# Altium PCB PDM_Rev3.PcbDoc (part 1 of 2) (continued)
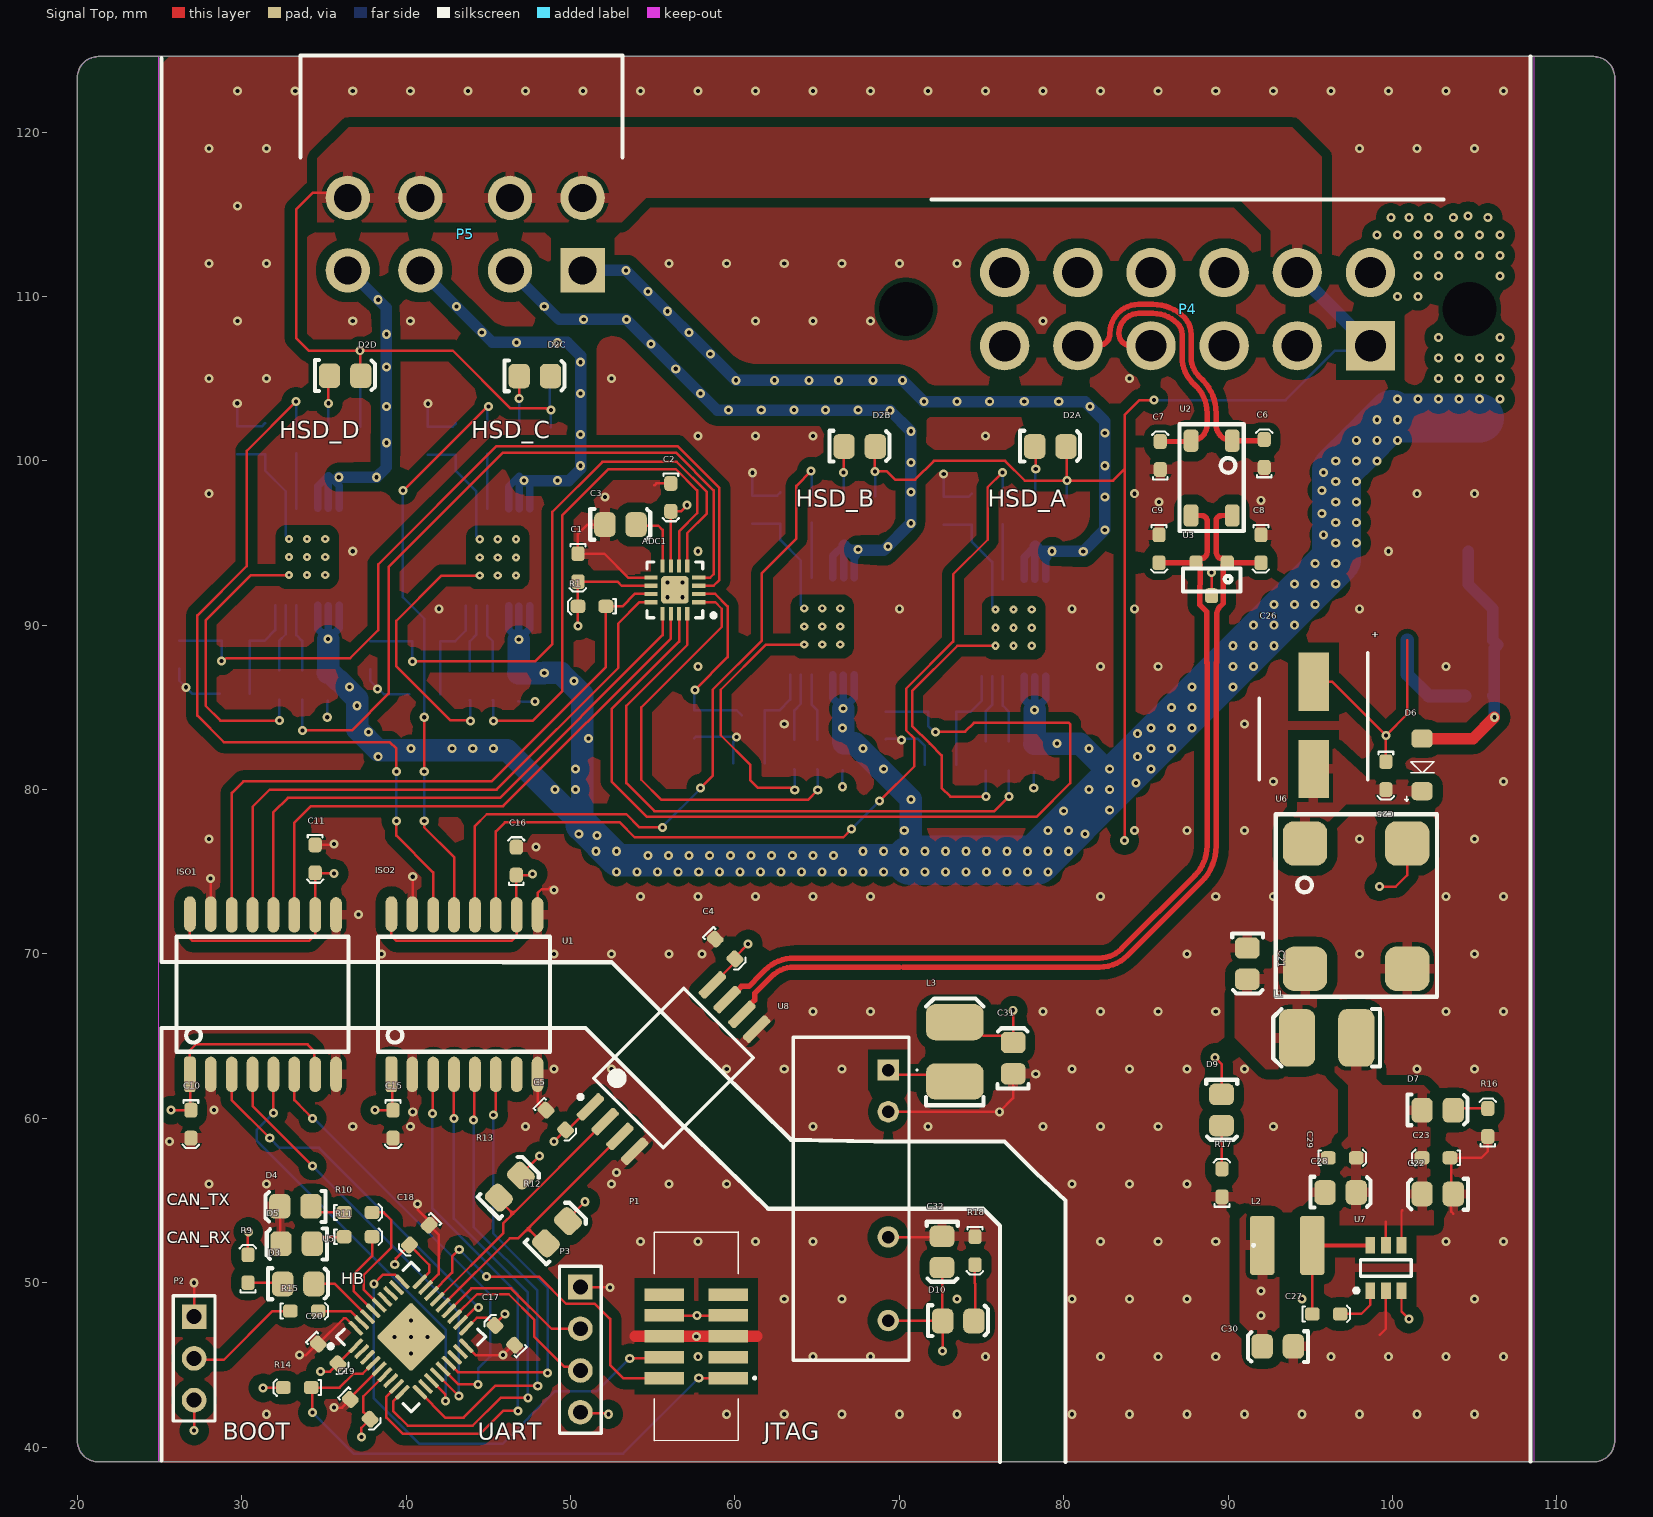
[diagram p0: Signal Top view]
## Components (designator, comment, footprint, x,y, rotation, side; value= is the part's Value field where it differs from the comment)
ADC1 "ADS7028IRTER-Symbol-1" WFQN-16 56.35,92.15 r180 top
C1 "100nF" 0603 50.45,94.35 r270 top
C2 "100nF" 0603 56.1,98.625 r270 top
C3 "1µF" 0805 53.05,96.15 r0 top
C4 "100nF" 0603 58.8,70.9 r315 top
C5 "100nF" 0603 48.5,60.5 r315 top
C6 "100pF" 0603 92.2,99.6 r90 top
C7 "100pF" 0603 85.875,99.475 r90 top
C8 "100pF" 0603 92,95.5 r270 top
C9 "100pF" 0603 85.8,95.5 r270 top
C10 "100nF" 0603 26.9,60.5 r270 top
C11 "100nF" 0603 34.465,76.635 r270 top
C12A "100nF" 0603 78.2,81.1 r90 bottom (schematic designator C12)
C12B "100nF" 0603 66.562,81.174 r90 bottom (schematic designator C12)
C12C "100nF" 0603 46.826,85.374 r90 bottom (schematic designator C12)
C12D "100nF" 0603 35.223,85.4 r90 bottom (schematic designator C12)
C13A "100nF" 0603 69.177,83.05 r90 bottom (schematic designator C13)
C13B "100nF" 0603 57.539,83.124 r90 bottom (schematic designator C13)
C13C "100nF" 0603 37.803,87.324 r90 bottom (schematic designator C13)
C13D "100nF" 0603 26.2,87.35 r90 bottom (schematic designator C13)
C14A "22nF" 0603 80.177,97.761 r270 bottom (schematic designator C14)
C14B "22nF" 0603 68.539,97.835 r270 bottom (schematic designator C14)
C14C "22nF" 0603 48.803,102.035 r270 bottom (schematic designator C14)
C14D "22nF" 0603 37.2,102.061 r270 bottom (schematic designator C14)
C15 "100nF" 0603 39.2,60.5 r270 top
C16 "100nF" 0603 46.7,74.8 r90 top
C17 "100nF" 0603 46.6,46.2 r135 top
C18 "100nF" 0603 41.4,53.5 r225 top
C19 "100nF" 0603 36.6,42.9 r315 top
C20 "100nF" 0603 34.648,46.277 r315 top
C21 "10uF" 0805 91.2,69.4 r270 top
C22 "10uF" 0805 102.738,55.374 r180 top
C23 "100nF" 0603 103.5,57.6 r180 top
C24 "100nF" 0603 104.4,85.7 r0 bottom
C25 "100nF" 0603 99.6,81.7 r270 top
C26 "47uF" "CHEMI-CON ELCO" 95.2,83.9 r270 top
C27 "100nF" 0603 95.125,48.1 r0 top
C28 "2.2uF" 0805 96.86,55.52 r0 top
C29 "100nF" 0603 96.1,57.6 r0 top
C30 "10uF" 0805 93.013,46.1 r180 top
C31 "10uF" 0805 76.9,63.675 r90 top
C32 "10uF" 0805 72.624,51.862 r270 top
D1A "MSX1PJ-M3/89A" "VISHAY DO-219" 74.4,98 r270 bottom (schematic designator D1)
D1B "MSX1PJ-M3/89A" "VISHAY DO-219" 62.762,98.074 r270 bottom (schematic designator D1)
D1C "MSX1PJ-M3/89A" "VISHAY DO-219" 43.026,102.274 r270 bottom (schematic designator D1)
D1D "MSX1PJ-M3/89A" "VISHAY DO-219" 31.423,102.3 r270 bottom (schematic designator D1)
D2A "Green" "0805 LED" 79.2,100.9 r0 top (schematic designator D2)
D2B "Green" "0805 LED" 67.6,100.9 r0 top (schematic designator D2)
D2C "Green" "0805 LED" 47.84,105.182 r0 top (schematic designator D2)
D2D "Green" "0805 LED" 36.3,105.2 r0 top (schematic designator D2)
D3 "Yellow" "0805 LED" 33.45,49.95 r0 top
D4 "Yellow" "0805 LED" 33.25,54.625 r180 top
D5 "Yellow" "0805 LED" 33.325,52.35 r180 top
D6 "PMEG100T10ELR-QX" "NXP SOD123W" 101.8,81.5 r90 top
D7 "Red" "0805 LED" 102.762,60.526 r0 top
D8 "SM6T36CAY" "ST SMB DIODE" 103.5,89.1 r0 bottom
D9 "Red" "0805 LED" 89.626,60.498 r270 top
D10 "Red" "0805 LED" 73.6,47.7 r0 top
F1 "0ZCF0100AF2A" 2920 104.6,101.8 r270 bottom
ISO1 "ADum1401" "AD 16-SOIC" 32.56,67.552 r0 top
ISO2 "ADuM1400" "AD 16-SOIC" 44.817,67.552 r0 top
L1 "12uH" 1812 96,64.9 r180 top
L2 "4.7uH" SRN3015TA-4R7M 93.6,52.275 r0 top
L3 "12uH" 1812 73.375,64.05 r90 top
P1 "1.27mm" 3221-10-0300-00 57.65,46.74 r90 top
P2 "2.54mm" "TH 2.54mm Header 1x3" 27.1,47.94 r270 top
P3 "2.54mm" "TH 2.54mm Header 1x4" 50.6,49.74 r270 top
P4 "DTF13-12P" DTF13-12P 87.545,111.452 r180 top
P5 "ATF13-08" ATF13-08 43.592,113.792 r180 top
R1 "100K" 0603 52.15,91.15 r180 top
R2A "10k" 0603 76.3,97.861 r270 bottom (schematic designator R2)
R2B "10k" 0603 64.662,97.935 r270 bottom (schematic designator R2)
R2C "10k" 0603 44.926,102.135 r270 bottom (schematic designator R2)
R2D "10k" 0603 33.323,102.161 r270 bottom (schematic designator R2)
R3A "10k" 0603 76.65,81.161 r90 bottom (schematic designator R3)
R3B "10k" 0603 65.012,81.235 r90 bottom (schematic designator R3)
R3C "10k" 0603 45.276,85.435 r90 bottom (schematic designator R3)
R3D "10k" 0603 33.673,85.461 r90 bottom (schematic designator R3)
R4A "10k" 0603 71.75,84.75 r0 bottom (schematic designator R4)
R4B "10k" 0603 60.112,84.824 r0 bottom (schematic designator R4)
R4C "10k" 0603 40.376,89.024 r0 bottom (schematic designator R4)
R4D "10k" 0603 28.773,89.05 r0 bottom (schematic designator R4)
R5A "390R" 0805 72.512,81.5 r0 bottom (schematic designator R5)
R5B "390R" 0805 60.874,81.574 r0 bottom (schematic designator R5)
R5C "390R" 0805 41.138,85.774 r0 bottom (schematic designator R5)
R5D "390R" 0805 29.535,85.8 r0 bottom (schematic designator R5)
R6A "680R" 0603 75.25,81.161 r90 bottom (schematic designator R6)
R6B "680R" 0603 63.612,81.235 r90 bottom (schematic designator R6)
R6C "680R" 0603 43.876,85.435 r90 bottom (schematic designator R6)
R6D "680R" 0603 32.273,85.461 r90 bottom (schematic designator R6)
R7A "1k" 0603 78.25,97.761 r270 bottom (schematic designator R7)
R7B "1k" 0603 66.612,97.835 r270 bottom (schematic designator R7)
R7C "1k" 0603 46.876,102.035 r270 bottom (schematic designator R7)
R7D "1k" 0603 35.273,102.061 r270 bottom (schematic designator R7)
R8A "1k" 0603 72.7,97.8 r270 bottom (schematic designator R8)
R8B "1k" 0603 61.062,97.874 r270 bottom (schematic designator R8)
R8C "1k" 0603 41.326,102.074 r270 bottom (schematic designator R8)
R8D "1k" 0603 29.723,102.1 r270 bottom (schematic designator R8)
R9 "500R" 0603 30.375,50 r90 top
R10 "500R" 0603 36.225,54.275 r0 top
R11 "500R" 0603 36.225,52.8 r0 top
R12 "5.1k" 0805 49.162,53.099 r45 top
R13 "5.1k" 0805 46.298,55.873 r45 top
R14 "10k" 0603 34.225,43.625 r180 top
R15 "10k" 0603 32.95,48.275 r0 top
R16 "20K" 0603 105.8,58.9 r90 top
R17 "2K" 0603 89.626,55.225 r90 top
R18 "1k" 0603 74.6,52.8 r270 top
U1 "ISO1042" TI-SOIC-8 56.263,63.061 r45 top
U2 "B82787C0104H002" "TDK 4-PC Pad" 90.25,101.225 r270 top value="100µH @ 100kHz"
U3 "NUP2105L" "ON SOT-23" 89,92.8 r180 top
U4A "TPS1H100AQPWPRQ1" TI_14_TSSOP 76.95,89.85 r270 bottom (schematic designator U4)
U4B "TPS1H100AQPWPRQ1" TI_14_TSSOP 65.312,89.924 r270 bottom (schematic designator U4)
U4C "TPS1H100AQPWPRQ1" TI_14_TSSOP 45.576,94.124 r270 bottom (schematic designator U4)
U4D "TPS1H100AQPWPRQ1" TI_14_TSSOP 33.973,94.15 r270 bottom (schematic designator U4)
U5 "STM32F103T8U6" STM_QFN-36 40.3,46.7 r45 top
U6 "744272121" "Wurth 4-PC Pad" 100.9,69.1 r90 top value="120uH @ 100kHz"
U7 "LMR50410Y5FQDBVRQ1" TI-SOT23-6 99.6,50.9 r90 top
U8 "RK-053.3S/H6" RK-053.3S/H6 69.325,62.94 r270 top

## Footprints (in the part's own frame and the unit in brackets; to place one, negate y for a bottom-side part, rotate by r counter-clockwise, add the part's x,y. Pads: shape width x height; smd on the part's side, far side on the other; paste and mask are expansions set on the pad)
0603 [mm]
  rrect50% 0.9x0.8 smd: 1(0,0) 2(1.7,0)
  silkscreen extent -0.6,-0.5 2.3,0.5, body extent 0.05,-0.42 1.65,0.43, height 0.6
0805 [mm]
  rrect50% 1.3x1.5 smd: 1(-0.962,-0.026) 2(0.938,-0.026)
  silkscreen extent -1.85,-0.95 1.8,0.93, body extent -1,-0.65 1,0.66, height 0.73
"0805 LED" [mm]
  rrect50% 1.3x1.5 smd: A(-0.962,-0.026) K(0.938,-0.026)
  silkscreen extent -1.85,-0.95 1.8,0.93, body extent -1.09,-0.63 0.91,0.63, height 1
1812 [mm]
  rrect50% 2.2x3.5 smd: 1(-1.8,0) 2(1.8,0)
  silkscreen extent -3.25,-1.75 3.25,1.75, body extent -2.25,-1.6 2.25,1.6, height 2.5
2920 [mm]
  rrect50% 2.3x5.6 smd: 1(0,0) 2(7.3,0)
  silkscreen extent -1.4,-3 9,3, body extent -0.34,-2.81 7.64,2.81, height 1.14
3221-10-0300-00 [mm]
  rect 0.76x2.4 smd: 1(-2.54,-1.95) 2(-2.54,1.95) 3(-1.27,-1.95) 4(-1.27,1.95) 5(0,-1.95) 6(0,1.95) 7(1.27,-1.95) 8(1.27,1.95) 9(2.54,-1.95) 10(2.54,1.95)
  silkscreen extent -6.35,-3.6 6.35,2.55, body extent -6.34,-2.8 6.36,2.8, height 5.25
"AD 16-SOIC" [mil]
  rrect50% 28x85 smd: 1(-225,-192.02)
  oval 28x85 smd: 2(-175,-192.02) 3(-125,-192.02) 4(-75,-192.02) 5(-25,-192.02) 6(25,-192.02) 7(75,-192.02) 8(125,-192.02) 9(125,190) 10(75,189.96) 11(25,189.96) 12(-25,189.96) 13(-75,189.96) 14(-125,189.96) 15(-175,191.98) 16(-225,191.98)
  silkscreen extent -257,-138 155,138, body extent -256,-209 156,209, height 104
ATF13-08 [mm]
  rect 2.7x2.7 hole 1.7: 1(-7.145,2.21)
  round 2.7 hole 1.7: 2(-2.725,2.21) 3(2.725,2.21) 4(7.145,2.21) 5(7.145,-2.21) 6(2.725,-2.21) 7(-2.725,-2.21) 8(-7.145,-2.21)
  silkscreen extent -9.57,-10.87 10.03,-4.67, body extent -18.38,-25.4 18.38,4.5, height 23.66
"CHEMI-CON ELCO" [mm]
  rect 3.55x1.85 smd: 1(-2.65,0) 2(2.65,0)
  silkscreen extent -4.43,-3.3 3.3,3.3, body extent -3.7,-3.4 3.7,3.4, height 6.1
DTF13-12P [mm]
  round 3 hole 3.3 unplated: 0(-17.145,2.22) 0(17.145,2.22)
  rect 3x3 hole 1.9: 1(-11.114,4.45)
  round 3 hole 1.9: 2(-6.664,4.45) 3(-2.214,4.45) 4(2.236,4.45) 5(6.686,4.45) 6(11.136,4.45) 7(11.136,0) 8(6.686,0) 9(2.236,0) 10(-2.214,0) 11(-6.664,0) 12(-11.114,0)
  silkscreen extent -15.56,-4.45 15.59,-4.45, body extent -20.79,-27.74 20.79,6.55, height 23.13
"NXP SOD123W" [mm]
  rrect50% 1.1x1.3 smd: A(1.6,0) K(-1.6,0)
  silkscreen extent -2.2,-0.73 0.2,1.04, body extent -1.75,-0.95 1.75,0.95, height 1.1
"ON SOT-23" [mm] "NUP2105L"
  rrect50% 0.8x0.9 smd: 1(-0.95,-1) 2(0.95,-1) 3(0,1)
  silkscreen extent -1.75,-0.65 1.75,0.75, body extent -1.5,-1.27 1.5,1.28, height 1
RK-053.3S/H6 [mm]
  rect 1.303x1.303 hole 0.76: 1(0,0)
  round 1.303 hole 0.76: 2(2.54,0) 5(10.16,0) 7(15.24,0)
  silkscreen extent -2,-5.78 17.65,1.8, body extent -1.99,-5.78 17.65,1.26, height 10.2
SRN3015TA-4R7M [mm]
  rrect25% 1.5x3.6 smd: 1(-1.525,0) 2(1.525,0)
  silkscreen extent -2.1,-0.05 -2,0.05, body extent -1.46,-1.47 1.61,1.47, height 1.4
"ST SMB DIODE" [mm]
  rrect50% 2.5x2.5 smd: A(2.6,0) K(-2.6,0)
  silkscreen extent -4.28,-2.12 4.17,2.08, body extent -2.88,-1.99 2.72,1.95, height 2.5
STM_QFN-36 [mm]
  rrect50% 1.1x0.25 smd: 1(-2.75,2) 2(-2.75,1.5) 3(-2.75,1) 4(-2.75,0.5) 5(-2.75,0) 6(-2.75,-0.5) 7(-2.75,-1) 8(-2.75,-1.5) 9(-2.75,-2) 19(2.75,-2) 20(2.75,-1.5) 21(2.75,-1) 22(2.75,-0.5) 23(2.75,0) 24(2.75,0.5) 25(2.75,1) 26(2.75,1.5) 27(2.75,2)
  rrect50% 0.25x1.1 smd: 10(-2,-2.75) 11(-1.5,-2.75) 12(-1,-2.75) 13(-0.5,-2.75) 14(0,-2.75) 15(0.5,-2.75) 16(1,-2.75) 17(1.5,-2.75) 18(2,-2.75) 28(2,2.75) 29(1.5,2.75) 30(1,2.75) 31(0.5,2.75) 32(0,2.75) 33(-0.5,2.75) 34(-1,2.75) 35(-1.5,2.75) 36(-2,2.75)
  rrect10% 3x3 smd: 37(0,0)
  silkscreen extent -3.98,-3.21 3.21,3.21, body extent -3.08,-3.08 3.08,3.08, height 1
"TDK 4-PC Pad" [mm]
  rrect50% 1.35x0.9 smd: 1(0,-2.5) 2(0,0) 3(4.55,0) 4(4.55,-2.5)
  silkscreen extent -1,-3.2 5.5,0.7, body extent -0.02,-2.82 4.48,0.38, height 2.8
"TH 2.54mm Header 1x3" [mm]
  rect 1.5x1.5 hole 0.9: 1(0,0)
  round 1.5 hole 0.9: 2(2.54,0) 3(5.08,0)
  silkscreen extent -1.27,-1.27 6.35,1.27, body extent -1.27,-1.27 6.35,1.27, height 9.5
"TH 2.54mm Header 1x4" [mm]
  rect 1.5x1.5 hole 0.9: 1(0,0)
  round 1.5 hole 0.9: 2(2.54,0) 3(5.08,0) 4(7.62,0)
  silkscreen extent -1.27,-1.27 8.89,1.27, body extent -1.27,-1.27 8.89,1.27, height 9.5
TI-SOIC-8 [mm]
  rrect50% 1.95x0.6 smd: 1(-5.25,1.905) 2(-5.25,0.635) 3(-5.25,-0.635) 4(-5.25,-1.905) 5(5.25,-1.905) 6(5.25,-0.635) 7(5.25,0.635) 8(5.25,1.905)
  silkscreen extent -5.37,-3 3.88,3, body extent -5.75,-3 5.75,3, height 2.8
TI-SOT23-6 [mm]
  rect 1x0.6 smd: 1(-1.375,0.95) 2(-1.375,0) 3(-1.375,-0.95) 4(1.375,-0.95) 5(1.375,0) 6(1.375,0.95)
  silkscreen extent -1.5,-1.55 0.5,1.92, body extent -1.5,-1.53 1.5,1.53, height 1.45
TI_14_TSSOP [mm] "TSOP, 14-Leads, Body 5.00x4.40mm, Pitch 0.65mm, Thermal Pad 3.34x2.94mm, IPC Medium Density"
  rect 2.94x3.34 smd: 0(0,0)
  rect 1.4x0.45 smd: 1(-2.95,1.95) 2(-2.95,1.3) 3(-2.95,0.65) 4(-2.95,0) 5(-2.95,-0.65) 6(-2.95,-1.3) 7(-2.95,-1.95) 8(2.95,-1.95) 9(2.95,-1.3) 10(2.95,-0.65) 11(2.95,0) 12(2.95,0.65) 13(2.95,1.3) 14(2.95,1.95)
  silkscreen extent -3.07,-2.55 1.85,2.85, body extent -3.2,-2.55 3.2,2.55, height 1.2
"VISHAY DO-219" [mm]
  rrect50% 0.8x0.8 smd: A(1.9,0)
  rrect50% 2x1.1 smd: K(0,0)
  silkscreen extent -1.4,-0.72 2.7,0.7
WFQN-16 [mm]
  rect 0.8x0.25 smd: 1(-1.45,0.75) 2(-1.45,0.25) 3(-1.45,-0.25) 4(-1.45,-0.75) 9(1.45,-0.75) 10(1.45,-0.25) 11(1.45,0.25) 12(1.45,0.75)
  rect 0.25x0.8 smd: 5(-0.75,-1.45) 6(-0.25,-1.45) 7(0.25,-1.45) 8(0.75,-1.45) 13(0.75,1.45) 14(0.25,1.45) 15(-0.25,1.45) 16(-0.75,1.45)
  rrect25% 1.68x1.68 smd: 17(0,0)
  silkscreen extent -2.48,-1.7 1.7,1.7, body extent -1.6,-1.6 1.6,1.6, height 0.8
"Wurth 4-PC Pad" [mm]
  rrect50% 2.7x2.7 smd: 1(7.62,6.22) 2(0,6.22) 3(0,0) 4(7.62,0)
  silkscreen extent -1.7,-1.8 9.4,8, body extent -1.19,-1.24 8.81,7.46, height 6.2

## Part data
ADC1: library part ADS7028IRTER, "IC ADC 12BIT SAR 16WQFN", Manufacturer="Texas Instruments", Complex IC=1, Digikey Link=https://www.digikey.com.au/en/products/detail/texas-instruments/ADS7028IRTER/12696020?s=N4IgTCBcDaIIIBEDKB2ADGAHASQEoBUBRXEAXQF8g, Digikey Part Number=ADS7028IRTER, Part Number=ADS7028IRTER
C1 C2 C4 C5 C10 C11 C12A C12B C12C C12D C13A C13B C13C C13D C15 C16 C17 C18 C19 C20 C23 C24 C25 C27 C29: library part GCM188L81H104KA57D, Digikey Part Number=490-6049-1-ND, Manufacturer=muRata, Rated Voltage=50V, Temperature Rating=X8L, Tolerance=±10%, Material=MLCC, Part Number=GCM188L81H104KA57D
C3: library part GCM21BR71H105KA03L, Digikey Part Number=490-10675-1-ND, Manufacturer=muRata, Rated Voltage=50V, Temperature Rating=X7R, Tolerance=±10%, Material=MLCC, Part Number=GCM21BR71H105KA03L
C6 C7 C8 C9: library part GRM1885C1H101JA01D, Digikey Part Number=490-1427-1-ND, Manufacturer="Murata Electronics", Rated Voltage=50V, Temperature Rating="C0G, NP0", Tolerance=±5%, Material=MLCC, Part Number=GRM1885C1H101JA01D
C14A C14B C14C C14D: library part GCM188R71H223KA37J, Digikey Part Number=490-8022-2-ND, Manufacturer="Murata Electronics", Rated Voltage=50V, Temperature Rating=X7R, Tolerance=±10%, Material=MLCC, Part Number=GCM188R71H223KA37J
C21 C22 C30 C31 C32: library part GRM21BR6YA106KE43L, Digikey Part Number=490-10514-6-ND, Manufacturer=muRata, Rated Voltage=50V, Temperature Rating=X5R, Tolerance=10%, Material=MLCC, Part Number=GRM21BR6YA106KE43L
C26: library part HHXA350ARA470MF61G, Part Number=HHXA350ARA470MF61G
C28: library part GRM21BR71E225KE11L, Digikey Part Number=490-14467-2-ND, Manufacturer="Murata Electronics", Rated Voltage=25V, Temperature Rating=X7R, Tolerance=±10%, Material=MLCC, Part Number=GRM21BR71E225KE11L
D1A D1B D1C D1D: Breakdown Voltage=600V, Manufacturer="Vishay General Semiconductor - Diodes Division", Part Number=MSX1PJ-M3/89A
D2A D2B D2C D2D: library part SML-210FTT86, "Green LED Indication - Discrete 1.75V 0805 (2012 Metric)", Digikey Part Number=511-1285-1-ND, Manufacturer="ROHM Semiconductor", Colour=Green, Part Number=SML-210FTT86
D3 D4 D5: library part SML-211YTT86, "Yellow LED Indication - Discrete 1.75V 0805 (2012 Metric)", Digikey Part Number=511-1293-1-ND, Manufacturer="ROHM Semiconductor", Colour=Yellow, Part Number=SML-211YTT86
D6: Breakdown Voltage="100 V", Digikey Part Number=1727-PMEG100T10ELR-QXCT-ND, Forward Voltage="0.75 V @ 1A", Manufacturer="Nexperia USA Inc.", Rated Power="680 mW", Part Number=PMEG100T10ELR-QX
D7 D9 D10: library part SML-210LTT86, "Red LED Indication - Discrete 1.75V 0805 (2012 Metric)", Digikey Part Number=511-1286-1-ND, Manufacturer="ROHM Semiconductor", Colour=Red, Part Number=SML-210LTT86
D8: Breakdown Voltage="30.8 V", Digikey Part Number=497-10804-1-ND, Manufacturer=STMicroelectronics, Rated Power=600W, Forward Voltage="30.8 V", Part Number=SM6T36CAY
F1: "PTC RESET FUSE 60V 1A 292", Digikey Part Number=507-2070-1-ND, Manufacturer="Littelfuse Inc.", Digikey Link=https://www.digikey.com/product-detail/en/bel-fuse-inc/0ZCF0100AF2A/507-2070-1-ND/6210547, Part Number=0ZCF0100AF2A
ISO1: library part ADuM1401, "General Purpose Digital Isolator 2500Vrms 4 Channel 1Mbps 25kV/µs CMTI 16-SOIC (0.295\", 7.50mm Width)", Manufacturer="Analog Devices", Complex IC=0, Part Number=ADuM1401
ISO2: "General Purpose Digital Isolator 2500Vrms 4 Channel 1Mbps 25kV/µs CMTI 16-SOIC (0.295\", 7.50mm Width)", Digikey Part Number=ADUM1400WSRWZ-ND, Manufacturer="Analog Devices", Complex IC=0, Digikey Link=https://www.digikey.com/product-detail/en/analog-devices-inc/ADUM1400WSRWZ/ADUM1400WSRWZ-ND/1873713, Part Number=ADuM1400
L1 L3: library part RLS-126, Digikey Part Number=945-3429-ND, Manufacturer=Recom, Rated Current="0.8 A", Tolerance=0.2, Impedance=230mOhm, Material=Wirewound, Part Number=RLS-126
L2: library part SRN4018-4R7M, Digikey Part Number=SRN3015TA-4R7MCT-ND, Manufacturer=Bourns, Rated Current=1.9A, Tolerance=0.2, Impedance=84mOhms, Material=Wirewound, Part Number=SRN4018-4R7M
P1: library part "SMD 1.27mm Header 2x5 (3221-10-0300-00)", Angle=0, Contact=NA, Flange=No, Part Number="SMD 1.27mm Header 2x5 (3221-10-0300-00)", Pitch=1.27mm, Positions=10, Row Spacing=1.27mm
P2: library part "TH 2.54mm Header 1x3", Angle=0, Contact=NA, Flange=No, Part Number="TH 2.54mm Header 1x3", Pitch=2.54mm, Positions=3, Row Spacing=2.54mm
P3: library part "TH 2.54mm Header 1x4", Angle=0, Contact=NA, Flange=No, Part Number="TH 2.54mm Header 1x4", Pitch=2.54mm, Positions=4, Row Spacing=2.54mm
P4: Digikey Part Number=1734-1861-ND, Angle=90, Contact="Copper Alloy", Digikey Link=https://www.digikey.com/products/en?keywords=dtf13-12pa, Flange=No, Part Number=DTF13-12P, Pitch=4.45mm, Positions=12, Row Spacing=4.45mm
R1: library part RC0603FR-07100KL, Manufacturer=YAGEO, Rated Power=0.1W, Tolerance=0.01, Material=FR-07, Part Number=RC0603FR-07100KL
R2A R2B R2C R2D R3A R3B R3C R3D R4A R4B R4C R4D R14 R15: library part RC0603FR-0710KL, Digikey Part Number=311-10.0KHRCT-ND, Manufacturer=YAGEO, Rated Power=0.1W, Tolerance=0.01, Material=FR-07, Part Number=RC0603FR-0710KL
R5A R5B R5C R5D: library part RC0805FR07390RL, Digikey Part Number=311-390CRCT-ND, Manufacturer=YAGEO, Rated Power=0.125W, Tolerance=0.01, Material=FR-07, Part Number=RC0805FR07390RL
R6A R6B R6C R6D: library part RC0603JR-13680RL, Digikey Part Number=13-RC0603JR-13680RLCT-ND, Manufacturer=YAGEO, Rated Power=0.1W, Tolerance=0.01, Material=FR-07, Part Number=RC0603JR-13680RL
R7A R7B R7C R7D R8A R8B R8C R8D R18: library part RC0603FR-071KL, Digikey Part Number=311-1.00KHRCT-ND, Manufacturer=YAGEO, Rated Power=0.1W, Tolerance=0.01, Material=FR-07, Part Number=RC0603FR-071KL
R9 R10 R11: library part RT0603BRD07500RL, Digikey Part Number=13-RT0603BRD07500RL-ND, Manufacturer=YAGEO, Rated Power=0.1W, Tolerance=0.01, Material=FR-07, Part Number=RT0603BRD07500RL
R12 R13: library part RC0805FR075K1L, Digikey Part Number=311-5.10KCRCT-ND, Manufacturer=YAGEO, Rated Power=0.125W, Tolerance=0.01, Material=FR-07, Part Number=RC0805FR075K1L
R16: library part RC0603FR-0720KL, Digikey Part Number=311-20.0KHRCT-ND, Manufacturer=YAGEO, Rated Power=0.1W, Tolerance=0.01, Material=FR-07, Part Number=RC0603FR-0720KL
R17: library part RC0603FR-072KL, Digikey Part Number=311-2.00KHRCT-ND, Manufacturer=YAGEO, Rated Power=0.1W, Tolerance=0.01, Material=FR-07, Part Number=RC0603FR-072KL
U1: "IC CAN TRANSCEIVER 1/1 8SOIC", Digikey Part Number=296-ISO1042BQDWVQ1-ND, Manufacturer="Texas Instruments", Part Number=ISO1042
U2: Digikey Part Number=495-4598-1-ND, Manufacturer="EPCOS (TDK)", Rated Current=150mA, Impedance="5.8 kOhms @ 10MHz", Material=Wirewound, Part Number=B82787C0104H002
U3: "Dual Line CAN Bus Protector", Digikey Part Number=NUP2105LT1GOSCT-ND, Manufacturer="ON Semiconductor", Digikey Link=https://www.digikey.com/product-detail/en/on-semiconductor/NUP2105LT1G/NUP2105LT1GOSCT-ND/1485001, Part Number=NUP2105L
U4A U4B U4C U4D: "IC PWR SWTCH N-CHAN 1:1 14HTSSOP", Manufacturer="Texas Instruments", Complex IC=1, Part Number=TPS1H100AQPWPRQ1
U5: "ARM® Cortex®-M3 STM32F1 Microcontroller IC 32-Bit 72MHz 64KB (64K x 8) FLASH QFN", Manufacturer="ST Microelectronics", Digikey Link=https://www.digikey.com/en/products/detail/stmicroelectronics/stm32f103t8u6/1852493, Digikey Part Number=STM32F103T8U6, Part Number=STM32F103T8U6
U6: Digikey Part Number=732-1489-1-ND, Manufacturer="Wurth Electronics Inc", Rated Current="2.5 A", Impedance="460 Ohms @ 30MHz", Material=Wirewound, Part Number=744272121
U7: library part LMR50410-Q1, "IC REG BUCK 5V 1A SOT23-6", Digikey Part Number=296-LMR50410Y5FQDBVRQ1CT-ND, Input Voltage=4-36V, Manufacturer="Texas Instruments", Output Current=1A, Output Voltage=5V, Part Number=LMR50410-Q1
U8: "DC DC CONVERTER 3.3V 1W", Input Voltage=5V, Manufacturer=Recom, Output Current=303mA, Output Voltage=3.3V, Part Number=RK-053.3S/H6
P5: Part Number=ATF13-08

## Via types
v1: diameter 0.55, hole 0.25, Signal Top to Signal Bottom, 530 vias
v2: diameter 0.5, hole 0.2, Signal Top to Signal Bottom, 36 vias

## Nets (pads, with @x,y where several pads share a name; then routed paths per layer and width w, separated by ;. In a path a pad name is that pad's centre, name@x,y a point inside that pad or via, vN(x,y) a via of type N, cw(c..) or ccw(c..) an arc to the next point about the centre after c; other vN are vias at no path point)
0V: ADC1.9 ADC1.17 C1.1 C2.1 C3.1 C4.1 C6.1 C7.1 C8.1 C9.1 C11.1 C13A.1 C13B.1 C13C.1 C13D.1 C16.2 C21.1 C22.1 C23.1 C28.1 C29.1 C30.1 C31.1 D1A.K D1B.K D1C.K D1D.K ISO1.9 ISO1.15 ISO2.9 ISO2.15 R5A.1 R5B.1 R5C.1 R5D.1 R8A.1 R8B.1 R8C.1 R8D.1 R16.1 R17.1 U1.5 U3.3 U6.3 U7.2 U8.2 | length 65.4
  Signal Top w0.152: v1(28.1,74.6) 28.107,74.593 28.107,72.436 ISO1.15@28.115,72.429 ; C11.1@34.513,76.683 C11.1@34.465,76.635 35.465,76.635 v1@35.6,76.5 ; ISO2.15@40.372,72.429 40.386,72.442 40.386,74.686 v1(40.4,74.7) ; ISO2.9@47.992,72.378 47.992,73.697 48.235,73.939 48.641,73.939 48.754,74.052 ; C3.1@52.088,96.124 51.024,96.124 50.45,95.55 C1.1@50.45,94.35 52.05,94.35 53.5,92.9 ADC1.9@54.9,92.9 ; 55.1,98.5 55.225,98.625 C2.1@56.1,98.625 ; U8.2@69.325,60.4 v1(76.1,60.4) 76.926,61.226 C31.1@76.926,62.713 ; C9.1@85.8,95.5 C9.1@85.845,95.545 ; U3.3@89,91.8 89,92.05 v1(89,93.2) ; 99.236,46.836 99.6,47.2 U7.2@99.6,49.525 ; 103.7,54.2 103.562,54.337 103.562,57.538 C23.1@103.5,57.6 105.4,57.6 105.8,58 R16.1@105.8,58.9
  Signal Bottom w0.152: C13D.1@26.2,87.35 26.2,86.623 v1(26.598,86.224) 26.997,85.826 R5D.1@28.573,85.826 R5D.1@28.661,85.826 ; v1(29.723,103.5) R8D.1@29.723,102.1 31.223,102.1 D1D.K@31.423,102.3 ; C13C.1@37.803,87.324 37.803,86.619 38.252,86.17 v1(38.252,86.117) 38.33,86.117 38.647,85.8 R5C.1@40.176,85.8 ; v1(41.326,103.474) R8C.1@41.326,102.074 42.826,102.074 D1C.K@43.026,102.274 ; C13B.1@57.539,83.124 57.615,83.2 59.948,83.2 v1@60.024,83.124 ; R5B.1@59.912,81.6 59.912,82.904 60.024,83.016 v1@60.024,83.124 ; v1(60.1,83.2) v1@60.024,83.124 ; v1(61.062,99.274) R8B.1@61.062,97.874 62.562,97.874 D1B.K@62.762,98.074 ; C13A.1@69.177,83.05 69.227,83.1 v1@70.122,83.1 ; v1(70.122,83.022) v1@70.122,83.1 ; R5A.1@71.55,81.526 71.55,82.647 71.097,83.1 70.747,83.1 v1@70.122,83.1 ; v1(72.7,99.2) R8A.1@72.7,97.8 74.2,97.8 D1A.K@74.4,98
  other v1: 80.5,42 84,42 87.5,42 91,42 94.5,42 98,42 101.5,42 105,42 82.25,45.5 85.75,45.5 89.25,45.5 96.25,45.5 99.75,45.5 103.25,45.5 106.75,45.5 80.5,49 84,49 87.5,49 94.5,49 105,49 82.25,52.5 85.75,52.5 89.25,52.5 103.25,52.5 106.75,52.5 80.5,56 84,56 87.5,56 64.75,59.5 71.75,59.5 78.75,59.5 82.25,59.5 85.75,59.5 92.75,59.5 78.3,62.7 59.5,63 63,63 66.5,63 80.5,63 84,63 87.5,63 91,63 101.5,63 105,63 64.75,66.5 68.25,66.5 78.75,66.5 82.25,66.5 85.75,66.5 89.25,66.5 103.25,66.5 106.75,66.5 38.5,70 49,70 52.5,70 56,70 58,70 87.5,70 98,70 105,70 37.1,72.4 54.25,73.5 57.75,73.5 61.25,73.5 64.75,73.5 68.25,73.5 82.25,73.5 89.25,73.5 92.75,73.5 103.25,73.5 106.75,73.5 49,73.9 47.9,76.5 35.6,76.7 28,77 98,77 105,77 84.305,77.505 87.5,77.505 91,77.505 92.75,80.5 106.75,80.5 63,84 91,84 57.75,87.5 82.25,87.5 85.75,87.5 103.25,87.5 42,91 70,91 80.5,91 84.305,91 98,91 55.9,91.7 56.8,91.7 55.9,92.6 56.8,92.6 36.75,94.5 57.75,94.5 99.75,94.5 85.8,97.5 92,97.6 52.088,97.788 28,98 84.305,98 101.5,98 105,98 57.75,101.5 61.25,101.5 64.75,101.5 75.25,101.5 28,105 31.5,105 52.5,105 84,105 29.75,108.5 36.75,108.5 40.25,108.5 61.25,108.5 64.75,108.5 68.25,108.5 78.75,108.5 28,112 31.5,112 56,112 59.5,112 63,112 66.5,112 70,112 73.5,112 29.75,115.5 28,119 31.5,119 98,119 101.5,119 105,119 29.75,122.5 33.25,122.5 36.75,122.5 40.25,122.5 43.75,122.5 47.25,122.5 50.75,122.5 54.25,122.5 57.75,122.5 61.25,122.5 64.75,122.5 68.25,122.5 71.75,122.5 75.25,122.5 78.75,122.5 82.25,122.5 85.75,122.5 89.25,122.5 92.75,122.5 96.25,122.5 99.75,122.5 103.25,122.5 106.75,122.5
0V_(ISO): C5.1 C10.2 C15.2 C17.1 C18.1 C19.1 C20.1 C32.1 D4.K D5.K ISO1.2 ISO1.8 ISO2.2 ISO2.8 P1.5 P1.6 P2.1 P3.1 R18.1 U1.4 U5.5 U5.18 U5.26 U5.36 U5.37 U8.5 | length 37.3
  Signal Top w0.152: P2.1@27.1,47.94 v1(27.1,50) ; ISO1.2@28.107,62.668 ISO1.2@28.115,62.675 ; D4.K@32.312,54.651 32.35,54.614 32.35,52.414 D5.K@32.387,52.376 ; v1(33.5,45.6) 33.9,45.6 34.577,46.277 C20.1@34.648,46.277 36.208,47.837 36.334,47.837 U5.36@36.941,47.23 ; v1(35.6,42.4) 36.1,42.4 C19.1@36.6,42.9 ; C19.1@36.55,42.95 U5.5@38.355,44.755 ; ISO2.2@40.372,62.675 ISO2.2@40.386,62.661 ; v1(40.7,54.8) 40.7,54.446 41.4,53.746 C18.1@41.4,53.5 41.978,52.922 41.978,50.52 41.184,49.726 U5.26@41.184,49.705 ; U5.18@43.659,46.17 44.228,45.6 v1(45.9,45.6) 46.5,46.2 C17.1@46.6,46.2 ; ISO2.8@47.992,62.675 47.992,61.008 48,61 C5.1@48.5,60.5 C5.1@48.5,60.4 ; P3.1@50.6,49.74 v1@52.4,49.74 ; U1.4@53.898,58.002 U1.4@53.898,58.002 ; 61.341,46.74 61.441,46.84 ; U8.5@69.325,52.78 72.554,52.78 C32.1@72.598,52.824
  Signal Top w0.7: 53.941,46.74 P1.6@55.7,46.74 v1(57.65,46.74) P1.5@59.6,46.74 61.341,46.74
  other v1: 31.5,42 59.5,42 63,42 66.5,42 70,42 73.5,42 57.75,45.5 64.75,45.5 68.25,45.5 75.25,45.5 40.3,45.7 39.3,46.7 40.3,46.7 41.3,46.7 40.3,47.7 63,49 66.5,49 73.5,49 52.4,49.7 54.25,52.5 57.75,52.5 61.25,52.5 64.75,52.5 28,56 31.5,56 52.5,56 56,56 59.5,56 52.8,56.7 25.6,58.6 36.75,59.5 40.25,59.5 47.25,59.5 40.4,60.4 28.3,60.5 49,63 52.5,63
3V3: C5.2 C10.1 C15.1 C17.2 C18.2 C19.2 C20.2 C32.2 D10.A ISO1.1 ISO1.7 ISO2.1 P1.7 P1.8 P2.3 P3.4 R9.2 R12.2 R13.2 R14.2 U1.1 U5.1 U5.6 U5.19 U5.27 U8.7 | length 57.6
  Signal Top w0.152: v1(25.7,60.5) C10.1@26.872,60.5 ; C10.1@26.9,60.5 C10.1@26.872,60.5 ; v1(27.1,41) P2.3@27.1,42.86 ; R9.2@30.375,51.7 30.375,53.075 v1(30.4,53.1) ; v1(31.3,43.6) 31.325,43.625 R14.2@32.525,43.625 ; ISO1.7@34.465,62.675 34.4,62.74 34.4,64.1 34,64.5 27.2,64.5 26.845,64.145 ISO1.1@26.845,62.675 26.872,62.648 C10.1@26.872,60.5 ; v1(34.8,44.6) 35.372,44.6 35.85,45.078 U5.1@36.941,46.17 ; v1(37.28,40.617) 37.28,41.176 C19.2@37.802,41.698 37.802,41.727 37.4,42.129 37.4,43.093 U5.6@38.709,44.402 ; v1(38.1,60.5) C15.1@39.2,60.5 39.151,60.549 39.151,62.626 ISO2.1@39.102,62.675 ; v1(39.304,51.104) 39.376,51.176 39.376,51.476 C18.2@40.198,52.298 41.4,51.096 41.4,50.628 U5.27@40.83,50.059 ; U5.19@43.659,47.23 44.292,47.864 44.936,47.864 44.974,47.826 C17.2@45.398,47.402 45.398,47.498 v1(46,48.1) ; R13.2@46.324,56.811 47.211,56.811 v1(48.1,57.7) ; v1(49,58.6) 49.698,59.298 C5.2@49.702,59.298 49.806,59.298 U1.1@51.204,60.696 ; R12.2@49.988,54.026 v1(50.889,54.926) ; P3.4@50.6,42.12 50.66,42.06 52.24,42.06 v1(52.3,42) ; P1.8@55.7,48.01 55.71,48 59.59,48 P1.7@59.6,48.01 ; U8.7@69.325,47.7 D10.A@72.498,47.7 ; C32.2@72.598,50.924 72.598,47.8 D10.A@72.681,47.717 ; v1@72.6,45.8 v1(72.638,45.838) D10.A@72.638,47.674
  other v1: 57.7,48
5V: ADC1.7 ADC1.10 C1.2 C2.2 C4.2 C11.2 C16.1 C30.2 C31.2 D9.A ISO1.10 ISO1.16 ISO2.10 ISO2.16 L2.1 L3.2 R1.2 U1.8 U7.3 | length 53.8
  Signal Top w0.152: ISO1.16@26.845,72.429 26.845,70.955 27,70.8 34.1,70.8 34.459,71.159 34.459,72.371 ISO1.10@34.465,72.377 C11.2@34.465,74.935 34.5,74.9 v1(35.6,74.9) ; ISO2.16@39.102,72.429 39.102,71.098 39.4,70.8 46.4,70.8 46.722,71.122 ISO2.10@46.722,72.377 46.711,72.389 46.711,74.789 C16.1@46.7,74.8 47.617,74.8 v1(47.693,74.876) ; v1(50.45,89.95) R1.2@50.45,91.15 C1.2@50.45,92.65 52.85,92.65 53.1,92.4 ADC1.10@54.9,92.4 ; ADC1.7@56.1,93.6 C2.2@56.1,96.9 ; C2.2@56.1,96.925 56.725,96.925 57.095,97.295 v1(57.095,97.3) ; U1.8@58.629,68.121 60.002,69.494 C4.2@60.002,69.698 60.002,69.802 v1(60.8,70.6) ; L3.2@73.375,65.7 L3.2@74.282,65.7 ; L3.2@74.282,65.85 75.106,65.026 76.513,65.026 C31.2@76.926,64.613 v1(76.926,66.574) v1@76.8,66.7 ; v1(89.2,63.7) 89.6,63.3 D9.A@89.6,61.46 ; U7.3@100.55,49.525 100.55,48.25 v1(101,47.8)
  other v1: 92,48 92,49.5
_CAN1_N: C8.2 U1.6 U2.3 U3.1 | length 57.1
  Signal Top w0.33: U1.6@60.425,66.325 60.425,66.417 61.2,67.192 61.2,67.609 62.219,68.628 cw(c63.6,67.247) 63.6,69.2 70.002,69.2 ; 70.226,69.2 82.176,69.2 ccw(c82.176,71.619) 83.886,69.909 88.373,74.395 ccw(c86.194,76.573) 89.275,76.573 89.275,87.693 cw(c89.318,87.693) 89.287,87.723 ccw(c89.257,87.753) 89.3,87.753 89.3,90.7 89.423,91.041 89.717,91.336 89.717,92.264 89.694,93.333 89.694,93.66 89.75,93.716 U3.1@89.75,93.773 ; U3.1@89.928,93.853 89.798,93.983 ccw(c89.604,93.788) 89.604,94.063 cw(c89.604,94.338) 89.409,94.144 cw(c89.734,94.468) 89.275,94.468 89.275,96.345 cw(c89.605,96.345) 89.372,96.578 cw(c89.605,96.345) 89.605,96.675 U2.3@90.25,96.675 ; U3.1@89.928,93.853 cw(c89.875,93.8) U3.1@89.95,93.8 C8.2@92,93.8
_CAN1_P: C9.2 U1.7 U2.4 U3.2 | length 57.1
  Signal Top w0.33: U1.7@59.527,67.223 59.589,67.223 60.394,68.028 60.841,68.028 61.557,68.743 61.831,69.018 cw(c63.599,67.25) 63.599,69.75 82.172,69.75 ccw(c82.172,71.628) 83.5,70.3 87.981,74.781 ccw(c86.185,76.577) 88.725,76.577 88.725,87.693 ccw(c88.682,87.693) 88.713,87.723 cw(c88.743,87.753) 88.7,87.753 88.7,88.311 88.7,89.793 88.7,90.82 88.283,91.237 88.283,92.264 88.317,92.628 88.317,92.877 88.306,92.913 88.306,93.66 88.25,93.716 U3.2@88.25,93.773 ; C9.2@85.8,93.8 U3.2@88.05,93.8 cw(c88.125,93.8) 88.072,93.853 88.202,93.983 cw(c88.396,93.788) 88.396,94.063 ccw(c88.396,94.338) 88.591,94.144 ccw(c88.266,94.468) 88.725,94.468 88.725,96.345 ccw(c88.395,96.345) 88.628,96.578 ccw(c88.395,96.345) 88.395,96.675 U2.4@87.75,96.675
ADC_CS: ADC1.11 ISO1.14 R1.1 | length 40.1
  Signal Top w0.152: ISO1.14@29.385,72.377 29.385,74.285 29.4,74.3 29.4,79.8 30.1,80.5 45.2,80.5 52.15,87.45 R1.1@52.15,91.15 53.15,91.15 53.9,91.9 ADC1.11@54.9,91.9
BOOT0: P2.2 R15.1 | length 7.1
  Signal Top w0.152: P2.2@27.1,45.4 27.2,45.3 28.9,45.3 31.875,48.275 R15.1@32.95,48.275
CAN1_N: C6.2 P4.5 U2.2 | length 19.2
  Signal Top w0.33: P4.5@81.345,107.002 P4.5@80.859,107.002 82.074,107.002 ccw(c82.074,107.737) 82.809,107.737 82.809,107.762 cw(c84.563,107.762) 84.563,109.516 85.43,109.516 cw(c85.43,106.831) 87.329,108.73 cw(c86.313,107.714) 87.75,107.714 87.75,106.32 ccw(c89.468,106.323) 88.317,105.047 88.428,104.947 cw(c87.838,104.294) 88.468,104.909 cw(c88.076,104.523) 88.474,104.903 cw(c86.371,102.9) 89.275,102.9 89.275,102.2 ccw(c90.25,102.2) U2.2@90.25,101.225 92.019,101.225 ccw(c92.019,101.481) C6.2@92.2,101.3
CAN1_P: C7.2 P4.4 U2.1 | length 17.4
  Signal Top w0.33: P4.4@84.932,107.38 P4.4@85.309,107.002 84.094,107.002 cw(c84.094,107.737) 83.359,107.737 83.359,107.762 cw(c84.563,107.762) 84.563,108.966 85.43,108.966 cw(c85.43,106.831) 86.94,108.341 cw(c86.313,107.714) 87.2,107.714 ccw(c87.75,107.714) 87.2,107.712 87.2,106.32 ccw(c89.468,106.323) 87.949,104.639 88.059,104.539 cw(c87.838,104.294) 88.076,104.523 cw(c86.371,102.9) 88.725,102.9 88.725,102.2 cw(c87.75,102.2) U2.1@87.75,101.225 cw(c87.629,101.346) 87.629,101.175 C7.2@85.875,101.175
CAN_RX_INDC: R11.2 U5.33 | length 5.5
  Signal Top w0.152: R11.2@37.925,52.8 37.925,51.625 36.8,50.5 36.8,49.493 U5.33@38.002,48.291
CAN_TX_INDC: R10.2 U5.32 | length 7.6
  Signal Top w0.152: R10.2@37.925,54.275 38.625,54.275 39.1,53.8 39.1,52.153 37.432,50.485 37.432,49.568 U5.32@38.355,48.645
DIAG_EN1: ADC1.4 R3D.1 | length 45.4
  Signal Top w0.152: v1(33.7,83.6) 36.7,83.6 38.934,85.834 38.934,93.534 45.9,100.5 56.402,100.5 58.7,98.202 58.7,93.1 58.5,92.9 ADC1.4@57.8,92.9
  Signal Bottom w0.152: R3D.1@33.673,85.461 33.686,85.448 33.686,83.614 v1(33.7,83.6)
DIAG_EN2: ADC1.6 R3C.1 | length 31.9
  Signal Top w0.152: v1(45.303,84.174) 47.674,84.174 49.5,86 49.5,96.7 52.3,99.5 56.398,99.5 57.7,98.198 57.7,96.812 56.6,95.712 ADC1.6@56.6,93.6
  Signal Bottom w0.152: R3C.1@45.276,85.435 45.29,85.421 45.29,84.187 v1(45.303,84.174)
DIAG_EN3: ADC1.1 R3B.1 | length 26.8
  Signal Top w0.152: ADC1.1@57.8,91.4 58.8,91.4 59.2,91 59.2,89.9 54.3,85 54.3,80.6 55.531,79.369 64.434,79.369 v1(65.039,79.974)
  Signal Bottom w0.152: R3B.1@65.012,81.235 65.026,81.221 65.026,79.987 v1(65.039,79.974)
DIAG_EN4: ADC1.16 R3A.1 | length 37.8
  Signal Top w0.152: ADC1.16@57.1,90.7 57.1,88.8 53.4,85.1 53.4,80.4 55.105,78.695 75.79,78.695 v1(76.664,79.569)
  Signal Bottom w0.152: R3A.1@76.65,81.161 76.664,81.148 v1(76.664,79.569)
GLV+: C12A.2 C12B.2 C12C.2 C12D.2 F1.1 P4.12 U4A.8 U4A.9 U4A.10 U4B.8 U4B.9 U4B.10 U4C.8 U4C.9 U4C.10 U4D.8 U4D.9 U4D.10 | length 278.9
  Int2 (PWR) w0.152: 79.277,82.8 79.29,82.787
  Int2 (PWR) w0.456: 66.587,82.899 66.562,82.874 66.624,82.812 ; 78.2,82.8 78.225,82.825
  Int2 (PWR) w1: v1@82.75,81.05 83,80.8 83.2,80.6
  Int2 (PWR) w1.368: 35.223,87.1 35.39,87.1 35.804,86.686 35.852,86.686 37.023,85.516 37.023,83.677 38.3,82.4 46.146,82.4 50.7,77.846 50.7,85.8 49.4,87.1 v1(48.4,87.1) 48.374,87.074 46.826,87.074 ; 35.248,87.125 v1(35.248,89.15) ; 46.851,87.099 v1(46.851,89.124) ; 66.587,82.899 v1(66.587,84.924) ; 66.624,82.812 67.288,82.812 v1(70.7,79.4) 70.7,75.7 ; 78.2,82.8 79.277,82.8 81,82.8 v1@82.75,81.05 ; 78.225,82.825 v1(78.225,84.85)
  Int2 (PWR) w2: 50.7,77.846 52.846,75.7 70.7,75.7
  Int2 (PWR) w3: 70.7,75.7 78.3,75.7 83.2,80.6 96.6,94 96.6,99.443 98.104,100.946 99.354,102.196 99.957,102.8 102.529,102.8 102.729,102.6 105.3,102.6
  Signal Bottom w0.456: U4D.10@34.623,91.2 34.623,89.775 v1(35.248,89.15) ; U4D.9@35.248,91.175 v1(35.248,89.15) ; U4D.8@35.923,91.2 35.923,89.825 v1(35.248,89.15) ; U4C.10@46.226,91.174 46.226,89.749 v1(46.851,89.124) ; U4C.9@46.851,91.149 v1(46.851,89.124) ; U4C.8@47.526,91.174 47.526,89.799 v1(46.851,89.124) ; U4B.10@65.962,86.974 65.962,85.549 v1(66.587,84.924) ; C12B.2@66.587,82.899 C12B.2@66.562,82.874 C12B.2@66.624,82.812 ; U4B.9@66.587,86.949 v1(66.587,84.924) ; U4B.8@67.262,86.974 67.262,85.599 v1(66.587,84.924) ; U4A.10@77.6,86.9 77.6,85.475 v1(78.225,84.85) ; C12A.2@78.2,82.8 C12A.2@78.225,82.825 ; U4A.9@78.225,86.875 v1(78.225,84.85) ; U4A.8@78.9,86.9 78.9,85.525 v1(78.225,84.85)
  Signal Bottom w1: v1@82.75,81.05 83,80.8 83.2,80.6
  Signal Bottom w1.368: C12D.2@35.223,87.1 35.39,87.1 35.804,86.686 35.852,86.686 37.023,85.516 37.023,83.677 38.3,82.4 46.146,82.4 50.7,77.846 50.7,85.8 49.4,87.1 v1(48.4,87.1) 48.374,87.074 C12C.2@46.826,87.074 ; C12D.2@35.248,87.125 v1(35.248,89.15) ; C12C.2@46.851,87.099 v1(46.851,89.124) ; C12B.2@66.587,82.899 v1(66.587,84.924) ; C12B.2@66.624,82.812 67.288,82.812 v1(70.7,79.4) 70.7,75.7 ; C12A.2@78.2,82.8 81,82.8 v1@82.75,81.05 ; C12A.2@78.225,82.825 v1(78.225,84.85)
  Signal Bottom w2: 50.7,77.846 52.846,75.7 70.7,75.7
  Signal Bottom w3: 70.7,75.7 78.3,75.7 83.2,80.6 96.6,94 96.6,99.443 98.104,100.946 99.354,102.196 99.957,102.8 100.157,102.6 F1.1@105.3,102.6
  other v1: 52.8,75 54.05,75 55.3,75 56.55,75 57.8,75 59.05,75 60.3,75 61.55,75 62.8,75 64.05,75 65.3,75 66.55,75 67.8,75 69.05,75 70.3,75 71.55,75 72.8,75 74.05,75 75.3,75 76.55,75 77.8,75 79.05,75 54.7,76 55.956,76 57.211,76 58.467,76 59.722,76 60.978,76 62.233,76 63.489,76 64.744,76 66,76 51.55,76.25 52.8,76.25 67.8,76.25 69.05,76.25 70.3,76.25 71.55,76.25 72.8,76.25 74.05,76.25 75.3,76.25 76.55,76.25 77.8,76.25 79.05,76.25 80.3,76.25 51.6,77.2 50.5,77.3 81.3,77.3 70.3,77.5 79.05,77.5 80.3,77.5 80,78.7 82.8,78.75 49.05,80 50.3,80 81.55,80 82.8,80 84.4,80.4 50.3,81.25 69.05,81.25 82.8,81.25 85.3,81.25 38.3,82 84.5,82 40.3,82.5 42.8,82.5 44.05,82.5 45.3,82.5 67.8,82.5 81.55,82.5 85.3,82.5 86.55,82.5 79.6,82.8 51.1,83.1 84.5,83.4 37.7,83.5 66.55,83.75 85.3,83.75 86.55,83.75 87.8,83.75 86.55,85 87.8,85 37,85.1 36.55,86.25 87.8,86.25 90.3,86.25 50.2,86.6 90.3,87.5 91.55,87.5 90.3,88.75 91.55,88.75 92.8,88.75 91.55,90 92.8,90 94.05,90 92.8,91.25 94.05,91.25 95.3,91.25 94.05,92.5 95.3,92.5 96.55,92.5 95.3,93.75 96.55,93.75 96.55,95 97.8,95 95.8,95.5 96.55,96.25 97.8,96.25 95.7,96.8 96.55,97.5 97.8,97.5 95.7,98.2 96.55,98.75 97.8,98.75 95.8,99.3 96.55,100 97.8,100 99.05,100 97.8,101.25 99.05,101.25 100.3,101.25 99.05,102.5 100.3,102.5 100.3,103.75 101.55,103.75 102.8,103.75 104.05,103.75 105.3,103.75 106.55,103.75 102.8,105 104.05,105 105.3,105 106.55,105 102.8,106.25 104.05,106.25 105.3,106.25 106.55,106.25 102.8,107.5 106.55,107.5 100.3,110 101.55,110 101.55,111.25 102.8,111.25 106.55,111.25 101.55,112.5 102.8,112.5 104.05,112.5 105.3,112.5 106.55,112.5 99.05,113.75 100.3,113.75 101.55,113.75 102.8,113.75 104.05,113.75 105.3,113.75 106.55,113.75 99.9,114.8 101,114.8 102.2,114.8 103.7,114.8 105.8,114.8 104.6,114.9
GLV-: C12A.1 C12B.1 C12C.1 C12D.1 C14A.1 C14B.1 C14C.1 C14D.1 C24.1 C25.1 C26.1 D2A.K D2B.K D2C.K D2D.K D8.K P4.1 P4.11 P5.5 P5.6 P5.7 P5.8 U6.4 | length 216.4
  Signal Top w0.152: P5.5@36.447,116.302 34.302,116.302 33.3,115.3 33.3,107.463 34.063,106.7 v1(37.2,106.7) ; D2D.K@37.238,105.174 37.2,105.212 v1(37.2,106.7) ; v1(48.8,103.1) 48.724,103.176 48.531,103.176 48.512,103.195 46.338,103.195 42.833,106.7 v1(37.2,106.7) ; D2B.K@68.538,100.874 68.521,100.857 v1(68.521,99.355) 69.243,99.355 69.742,98.857 70.957,98.857 72.1,100 76.433,100 77.633,98.8 v1(80.2,98.8) ; D2A.K@80.138,100.874 80.2,100.812 v1(80.2,98.8) ; v1(83.7,76.9) 83.7,99.5 ; v1(85.5,103.7) 84.6,103.7 83.7,102.8 83.7,99.5 ; C26.1@95.55,86.2 C26.1@95.2,86.55 96.35,86.55 v1(99.6,83.3) ; v1(99.2,74.1) 100.2,74.1 100.9,74.8 U6.4@100.9,76.72 ; C25.1@99.6,81.7 v1(99.6,83.3) ; 100.9,89.1 100.9,84.6 v1(99.6,83.3) ; v1(80.2,98.8) 83,98.8 83.7,99.5
  Int1 (GND) w0.152: v1(35.2,84.4) 39.076,84.4 40.027,85.351 v1(47.826,85.351) 51.5,81.677 65.036,81.677 v1(66.539,80.174) 78.103,80.174 v1(78.177,80.1) 79.506,80.1 82.706,76.9 92.5,76.9 95.3,74.1 v1(99.2,74.1) 99.2,82.9 v1(99.6,83.3)
  Signal Bottom w0.152: v1(35.2,84.4) 35.2,85.15 C12D.1@35.223,85.4 ; C14D.1@37.2,102.061 37.2,104.471 v1(37.2,106.7) ; C12C.1@46.826,85.374 47.076,85.351 v1(47.826,85.351) ; 48.741,105.038 48.741,103.159 48.802,103.098 48.802,102.037 C14C.1@48.803,102.035 ; v1(66.539,80.174) 66.539,80.924 C12B.1@66.562,81.174 ; C14B.1@68.539,97.835 v1@68.539,99.355 ; v1(78.177,80.1) 78.177,80.85 C12A.1@78.2,81.1 ; 80.115,100.826 80.177,100.764 ; C14A.1@80.177,97.761 80.189,97.773 80.189,98.789 v1(80.2,98.8) ; v1(85.5,103.7) 93.5,103.7 96.5,106.7 98.357,106.7 P4.1@98.659,107.002
  Signal Bottom w0.8: P4.11@94.209,111.452 P4.1@98.659,107.002 ; D8.K@100.9,89.1 100.9,87 102.2,85.7 C24.1@104.4,85.7
HB: D3.K U5.34 | length 4.1
  Signal Top w0.152: D3.K@34.388,49.924 35.662,49.924 U5.34@37.648,47.937
HSD_EN1: ISO2.14 R2D.1 | length 47
  Signal Top w0.152: v1(33.3,103.6) 30.3,100.6 30.3,93.6 27.3,90.6 27.3,84.5 28.905,82.895 38.995,82.895 39.4,82.49 v1(39.4,81.105) ; v1(39.4,78.1) 39.4,77.2 41.642,74.958 ISO2.14@41.642,72.377
  Signal Bottom w0.152: v1(33.3,103.6) 33.323,103.577 R2D.1@33.323,102.161 ; v1(39.4,78.1) v1(39.4,81.105)
HSD_EN2: ISO2.13 R2C.1 | length 35.6
  Signal Top w0.152: v1(39.8,98.2) 39.85,98.2 44.947,103.297 v1@44.997,103.297 ; v1(41.1,78.1) 41.1,77.7 42.912,75.888 ISO2.13@42.912,72.377 ; v1(41.1,81.105) v1(41.1,84.4)
  Signal Bottom w0.152: v1(39.8,98.2) 39.8,91.7 41.1,90.4 v1(41.1,84.4) ; v1(41.1,78.1) v1(41.1,81.105) ; R2C.1@44.926,102.135 44.926,103.226 v1(45,103.3)
HSD_EN3: ISO2.12 R2B.1 | length 44.3
  Signal Top w0.152: ISO2.12@44.182,72.377 44.182,77.782 44.9,78.5 53.4,78.5 54.2,77.7 55.595,77.7 v1(55.6,77.705) ; v1(57.9,80.1) 58.639,80.839 58.639,86.074 61.639,89.074 61.639,93.174 63.739,95.274 63.739,98.474 v1(64.639,99.374)
  Signal Bottom w0.152: v1(55.6,77.705) 55.6,77.75 57.9,80.05 v1(57.9,80.1) ; v1(64.639,99.374) 64.662,99.351 R2B.1@64.662,97.935
HSD_EN4: ISO2.11 R2A.1 | length 54.9
  Signal Top w0.152: ISO2.11@45.452,72.377 45.452,77.452 46,78 53,78 53.9,77.1 66.6,77.1 v1(67.1,77.6) ; v1(68.8,79.3) 70.922,81.422 70.922,83.1 70.422,83.6 70.422,86.145 73.277,89 73.277,93.1 75.377,95.2 75.377,98.4 v1(76.277,99.3)
  Signal Bottom w0.152: v1(67.1,77.6) v1(68.8,79.3) ; v1(76.277,99.3) 76.3,99.277 R2A.1@76.3,97.861
HSD_EN_(ISO)_1: ISO2.3 U5.8 | length 33.8
  Signal Top w0.152: U5.8@39.416,43.695 38.8,43.079 38.8,41.8 39.8,40.8 44.5,40.8 45.9,42.2 v1(46.8,42.2) ; v1(41.6,60.3) 41.621,60.321 41.621,62.654 ISO2.3@41.642,62.675
  Signal Bottom w0.152: v1(41.6,60.3) 41.6,54.511 46.8,49.311 v1(46.8,42.2)
HSD_EN_(ISO)_2: ISO2.4 U5.9 | length 32.2
  Signal Top w0.152: U5.9@39.77,43.341 39.2,42.772 39.2,42.2 40.1,41.3 44.044,41.3 45.744,43 v1(47.405,43) ; v1(42.9,60) 42.906,60.006 42.906,62.669 ISO2.4@42.912,62.675
  Signal Bottom w0.152: v1(42.9,60) 42.9,53.9 47.4,49.4 47.4,43.005 v1(47.405,43)